# Altium PCB mantarray_beta2_sensor_arrayed.PcbDoc (part 1 of 14)
Units mil, origin at the board's own origin, x right, y up, seen from the top; angles counter-clockwise.
Board outline 6232.47 x 10167.51 mil, 8 copper layers (Layer1_Top, Layer2_sig1, Layer3_AVDD_PLANE, Layer4_GND_PLANE, Layer5_DVDD_PLANE, Layer6_BUS, Layer7_sig2, Layer8_BOT), stack 50.224 mil thick; 470 components, 492 nets, 4650 pads, 3798 vias.
Unrouted connection lines stored in the file: 3.
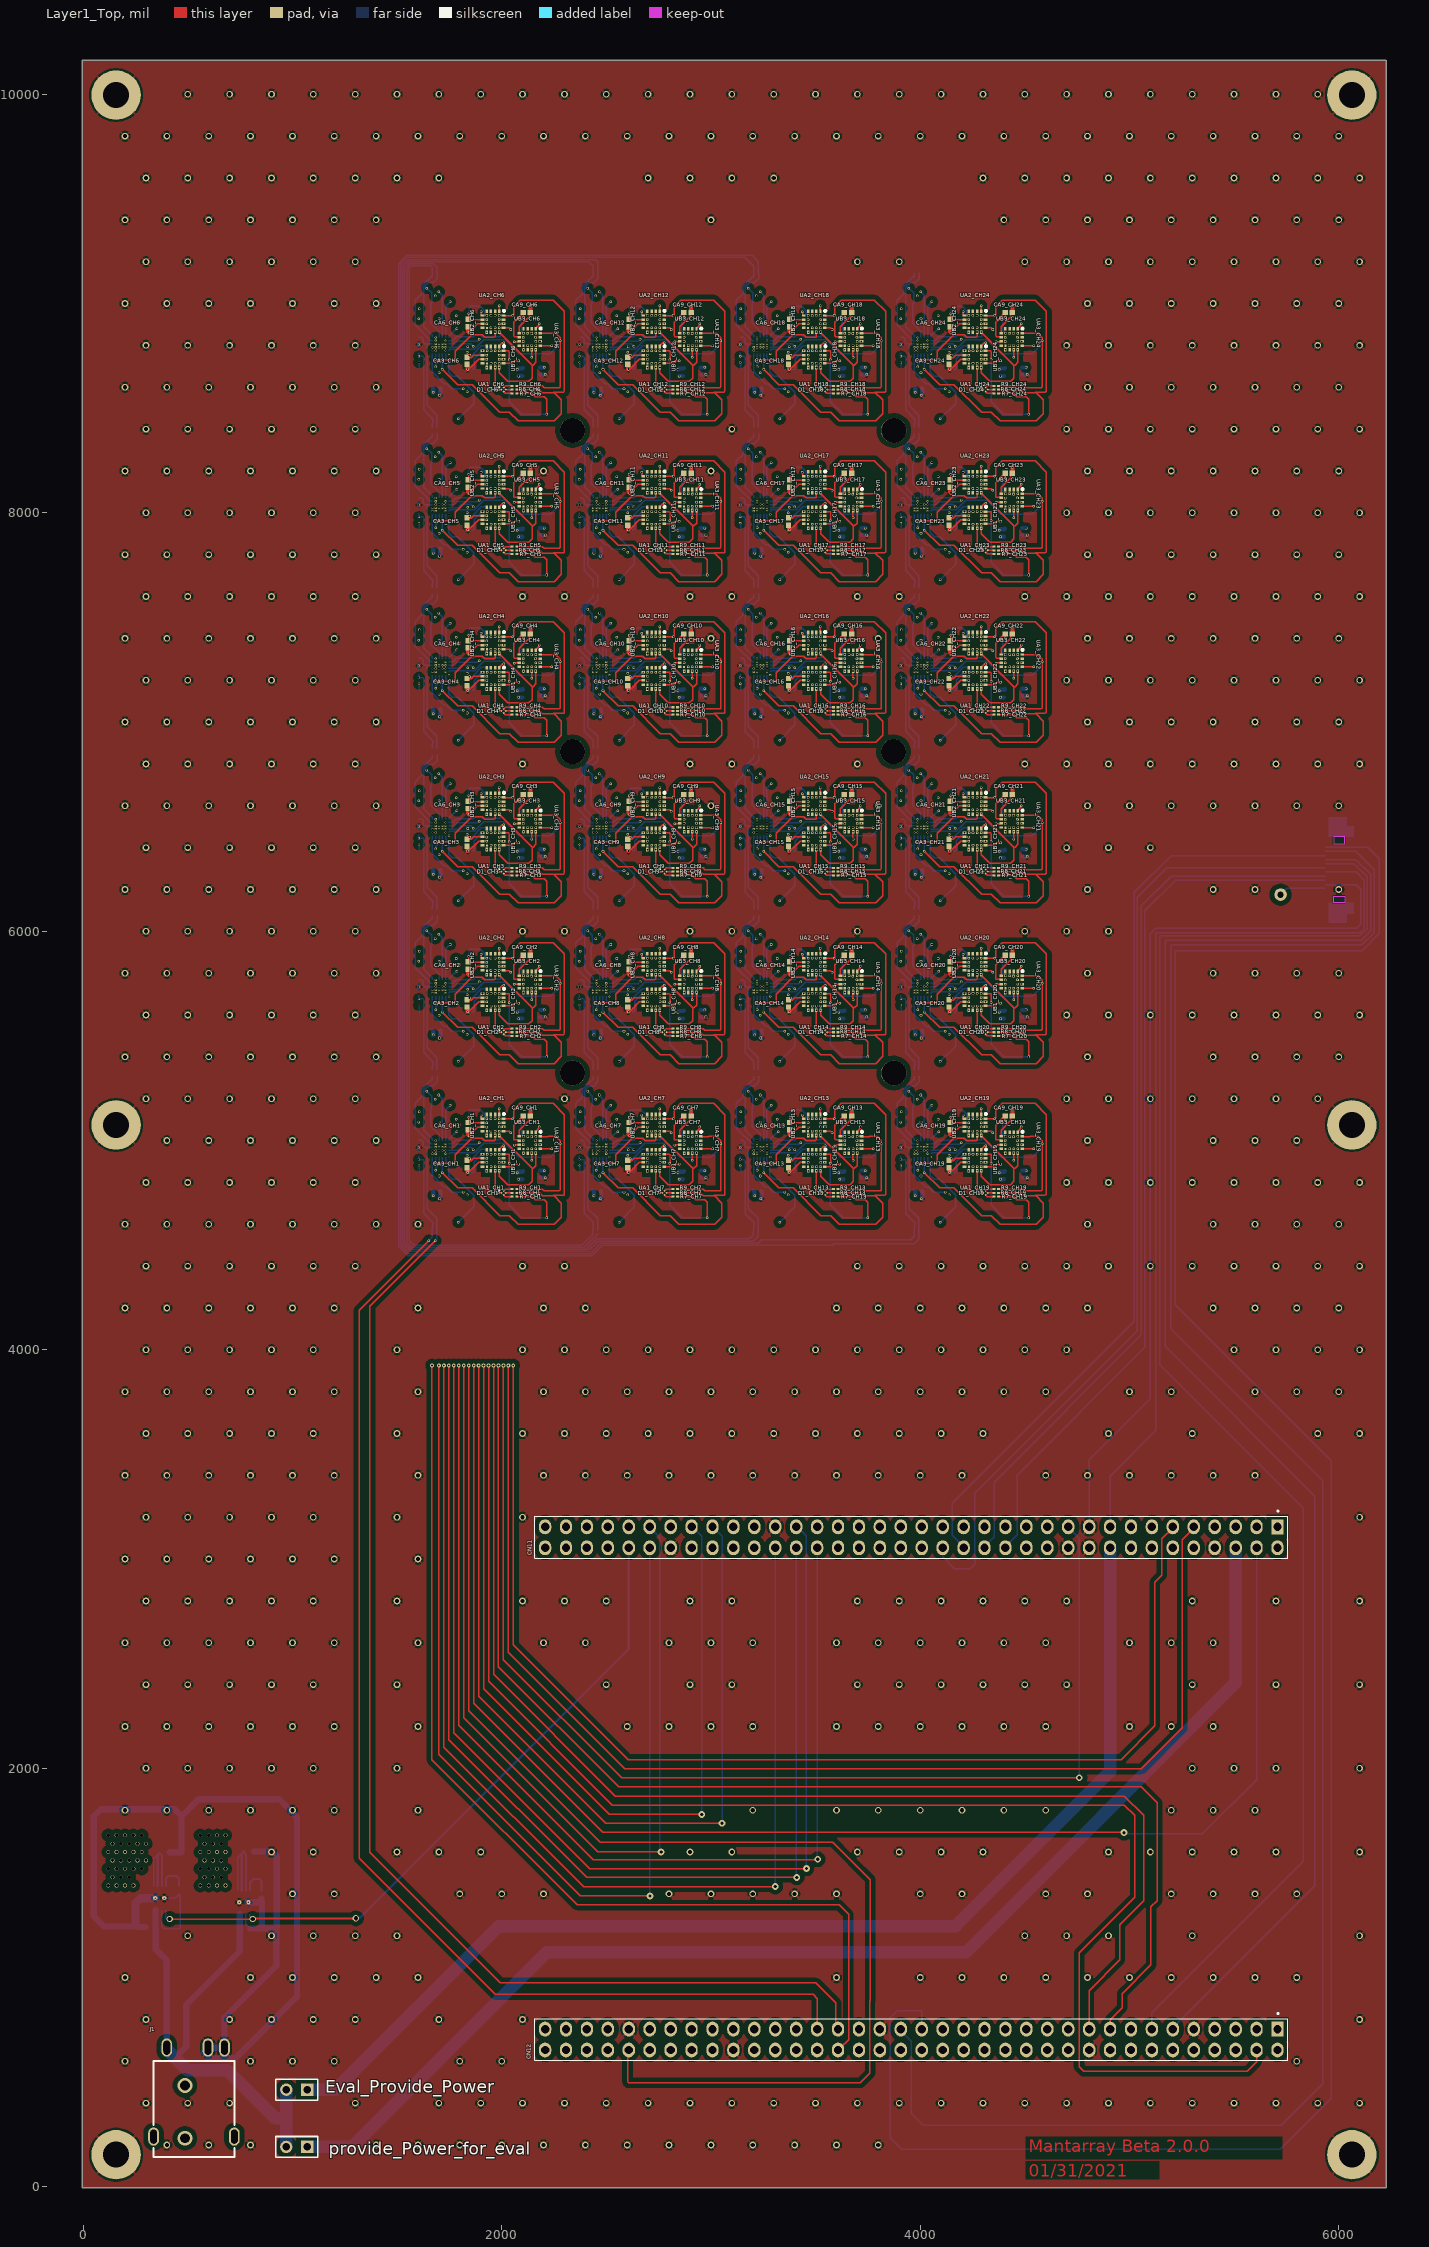
[diagram p0: Layer1_Top view]
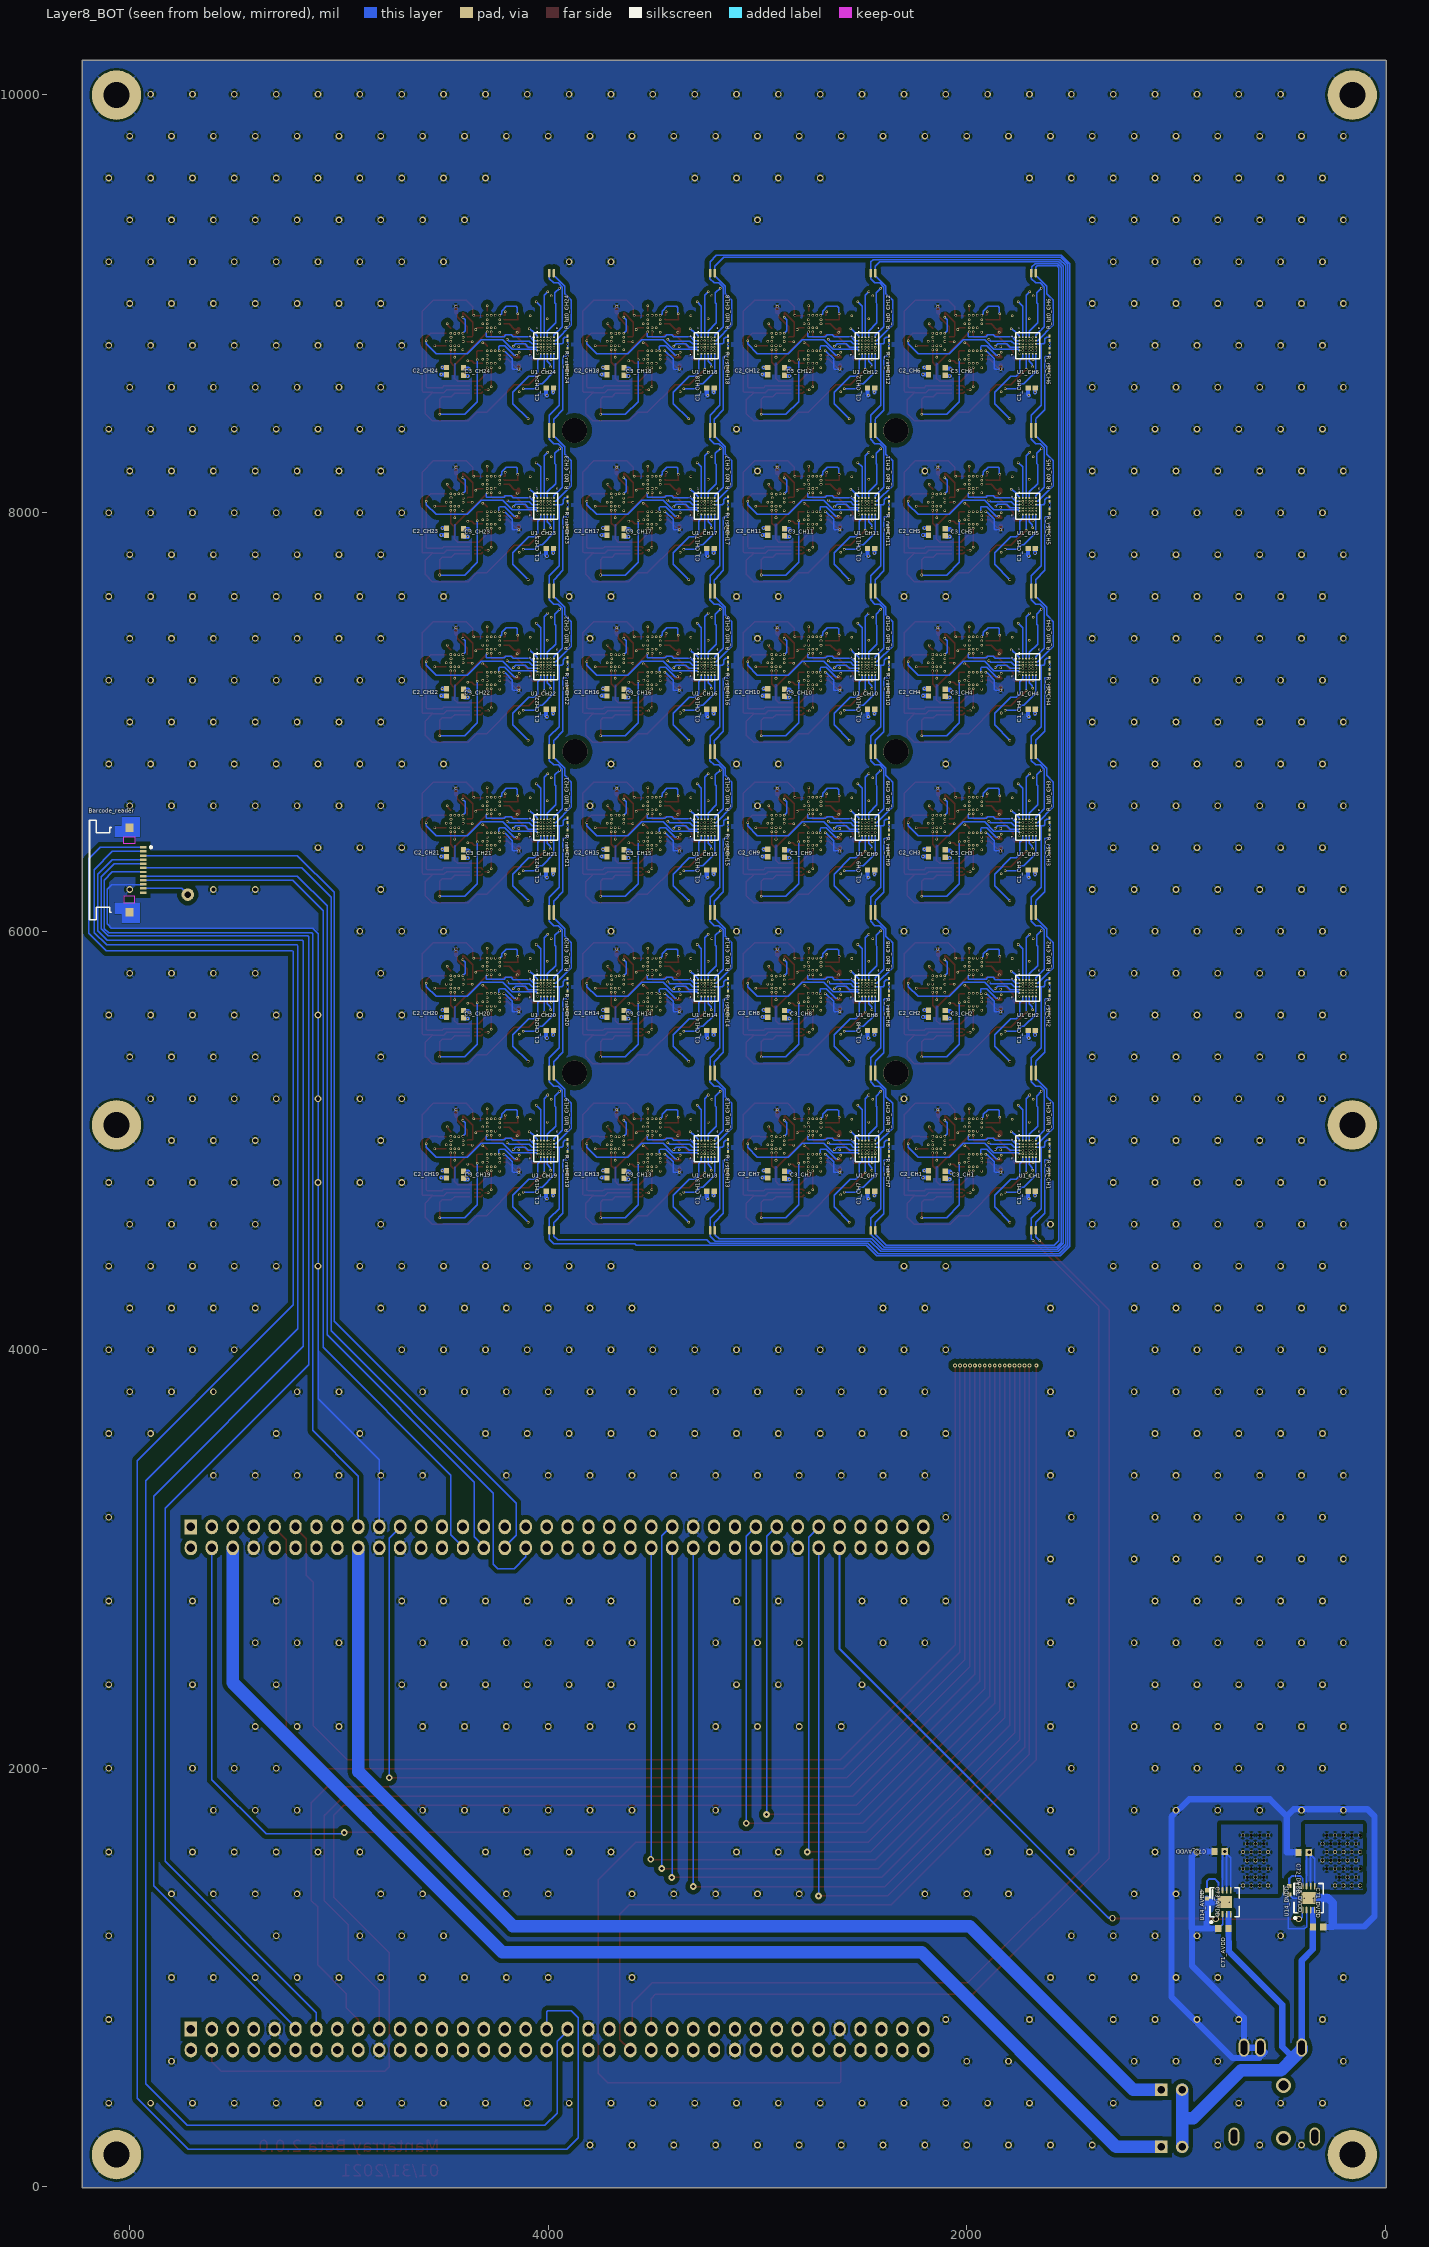
[diagram p1: Layer8_BOT view, seen from below]
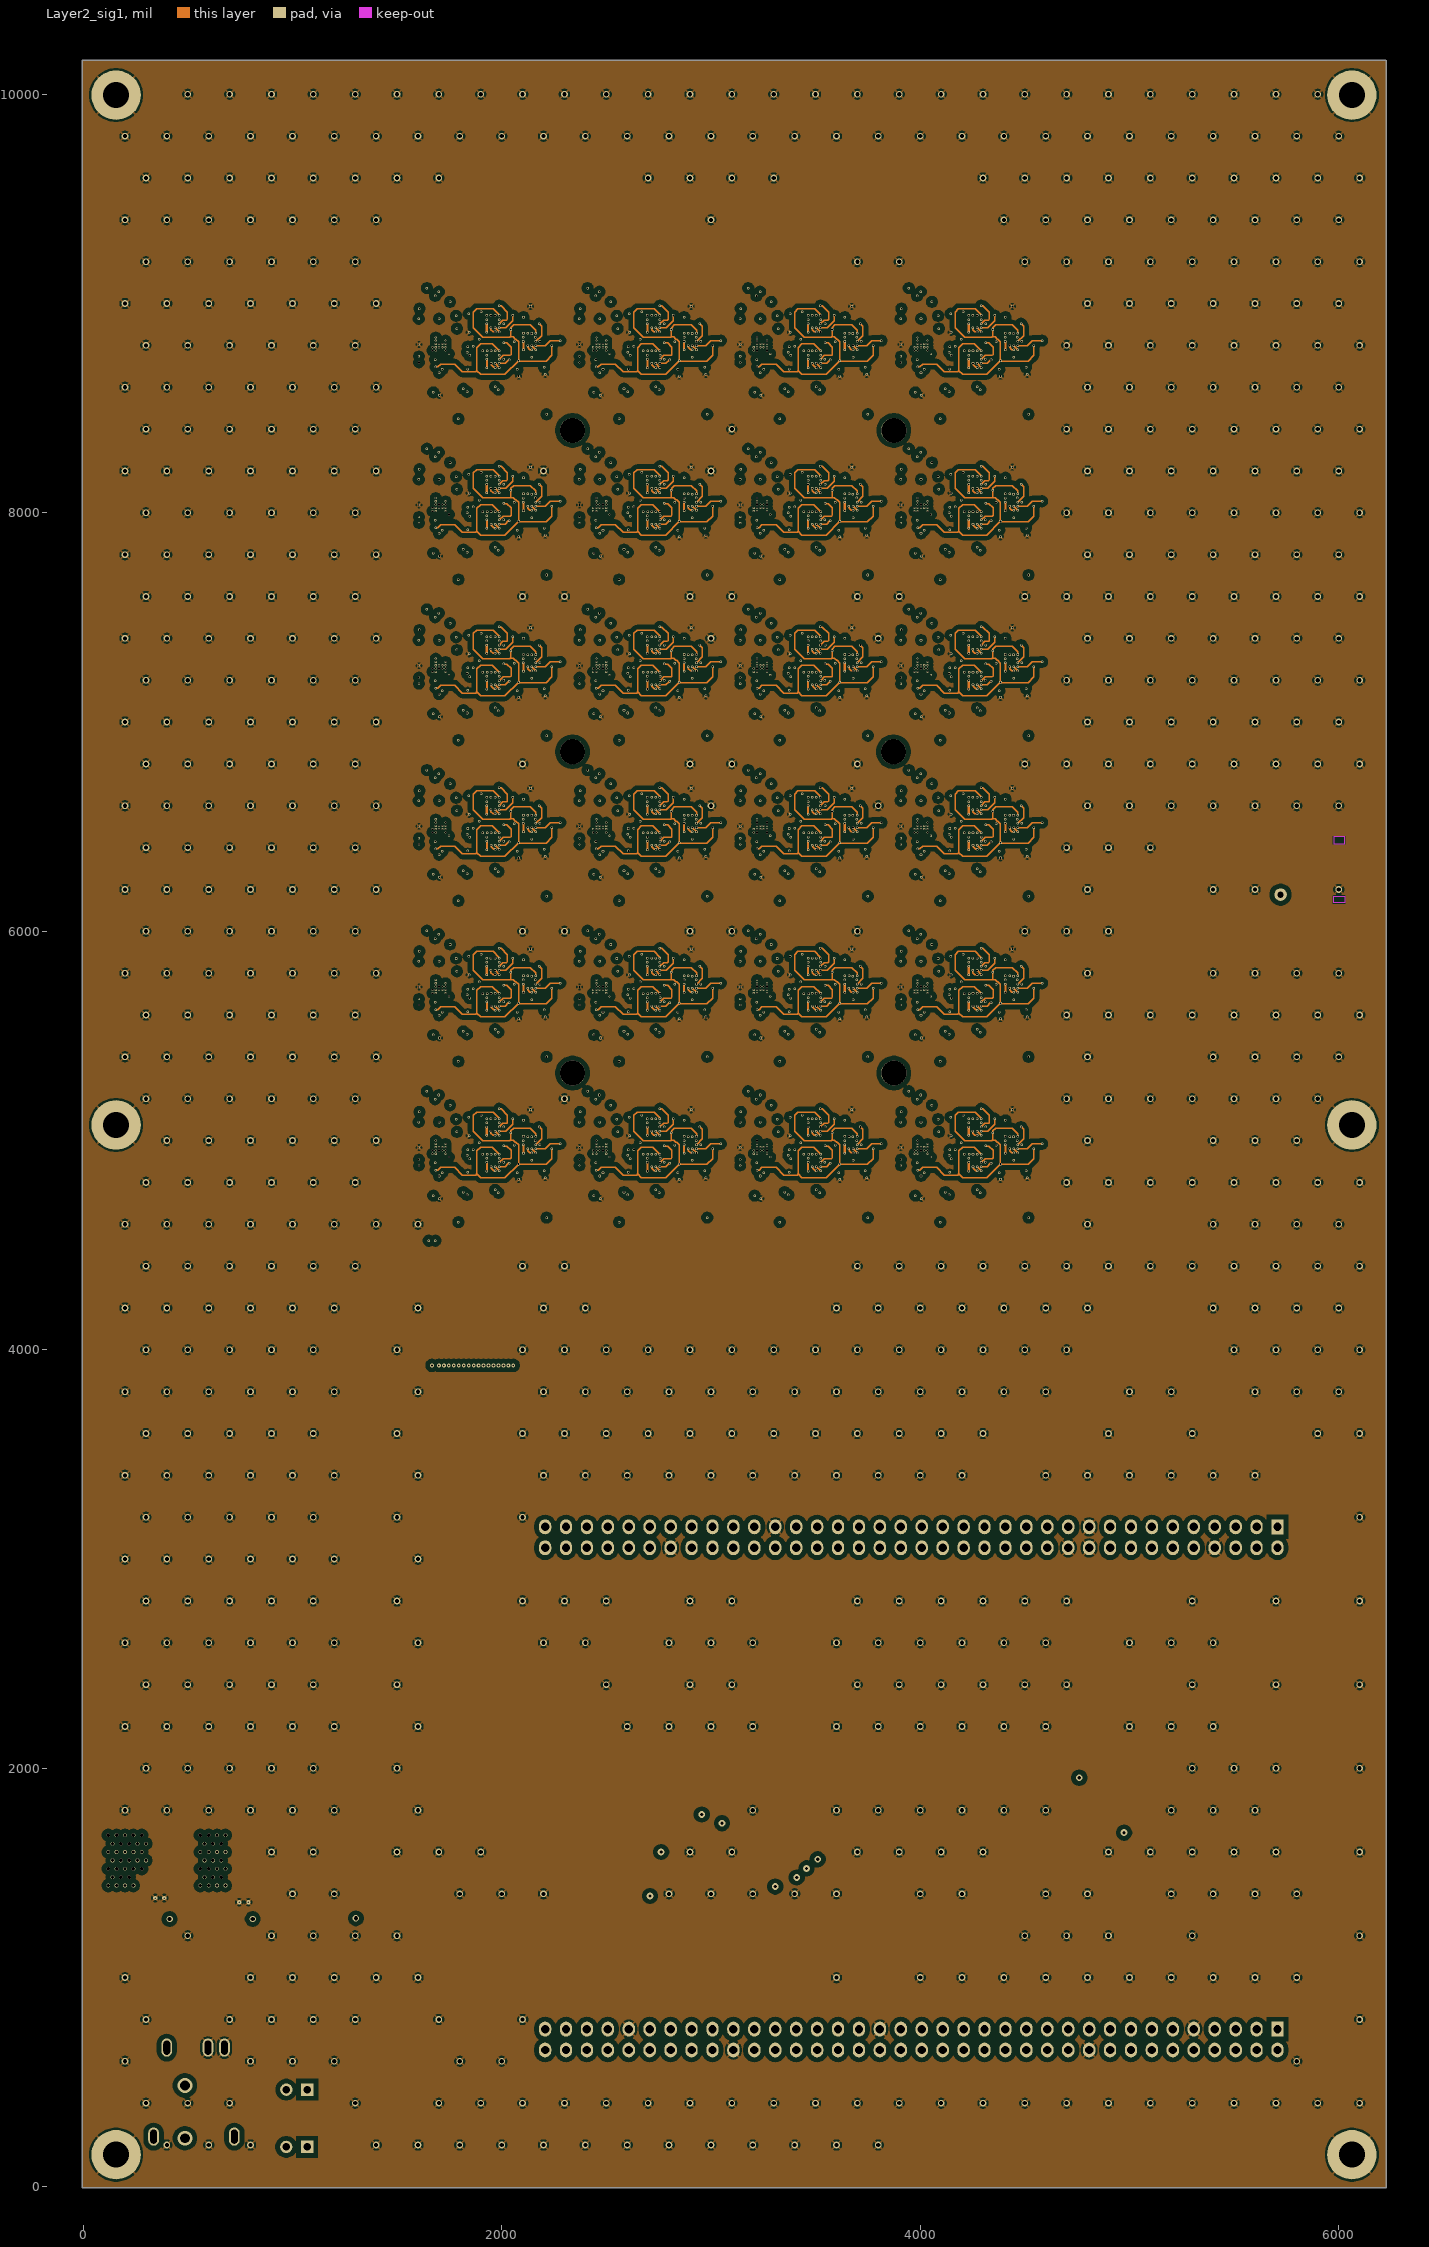
[diagram p2: Layer2_sig1]
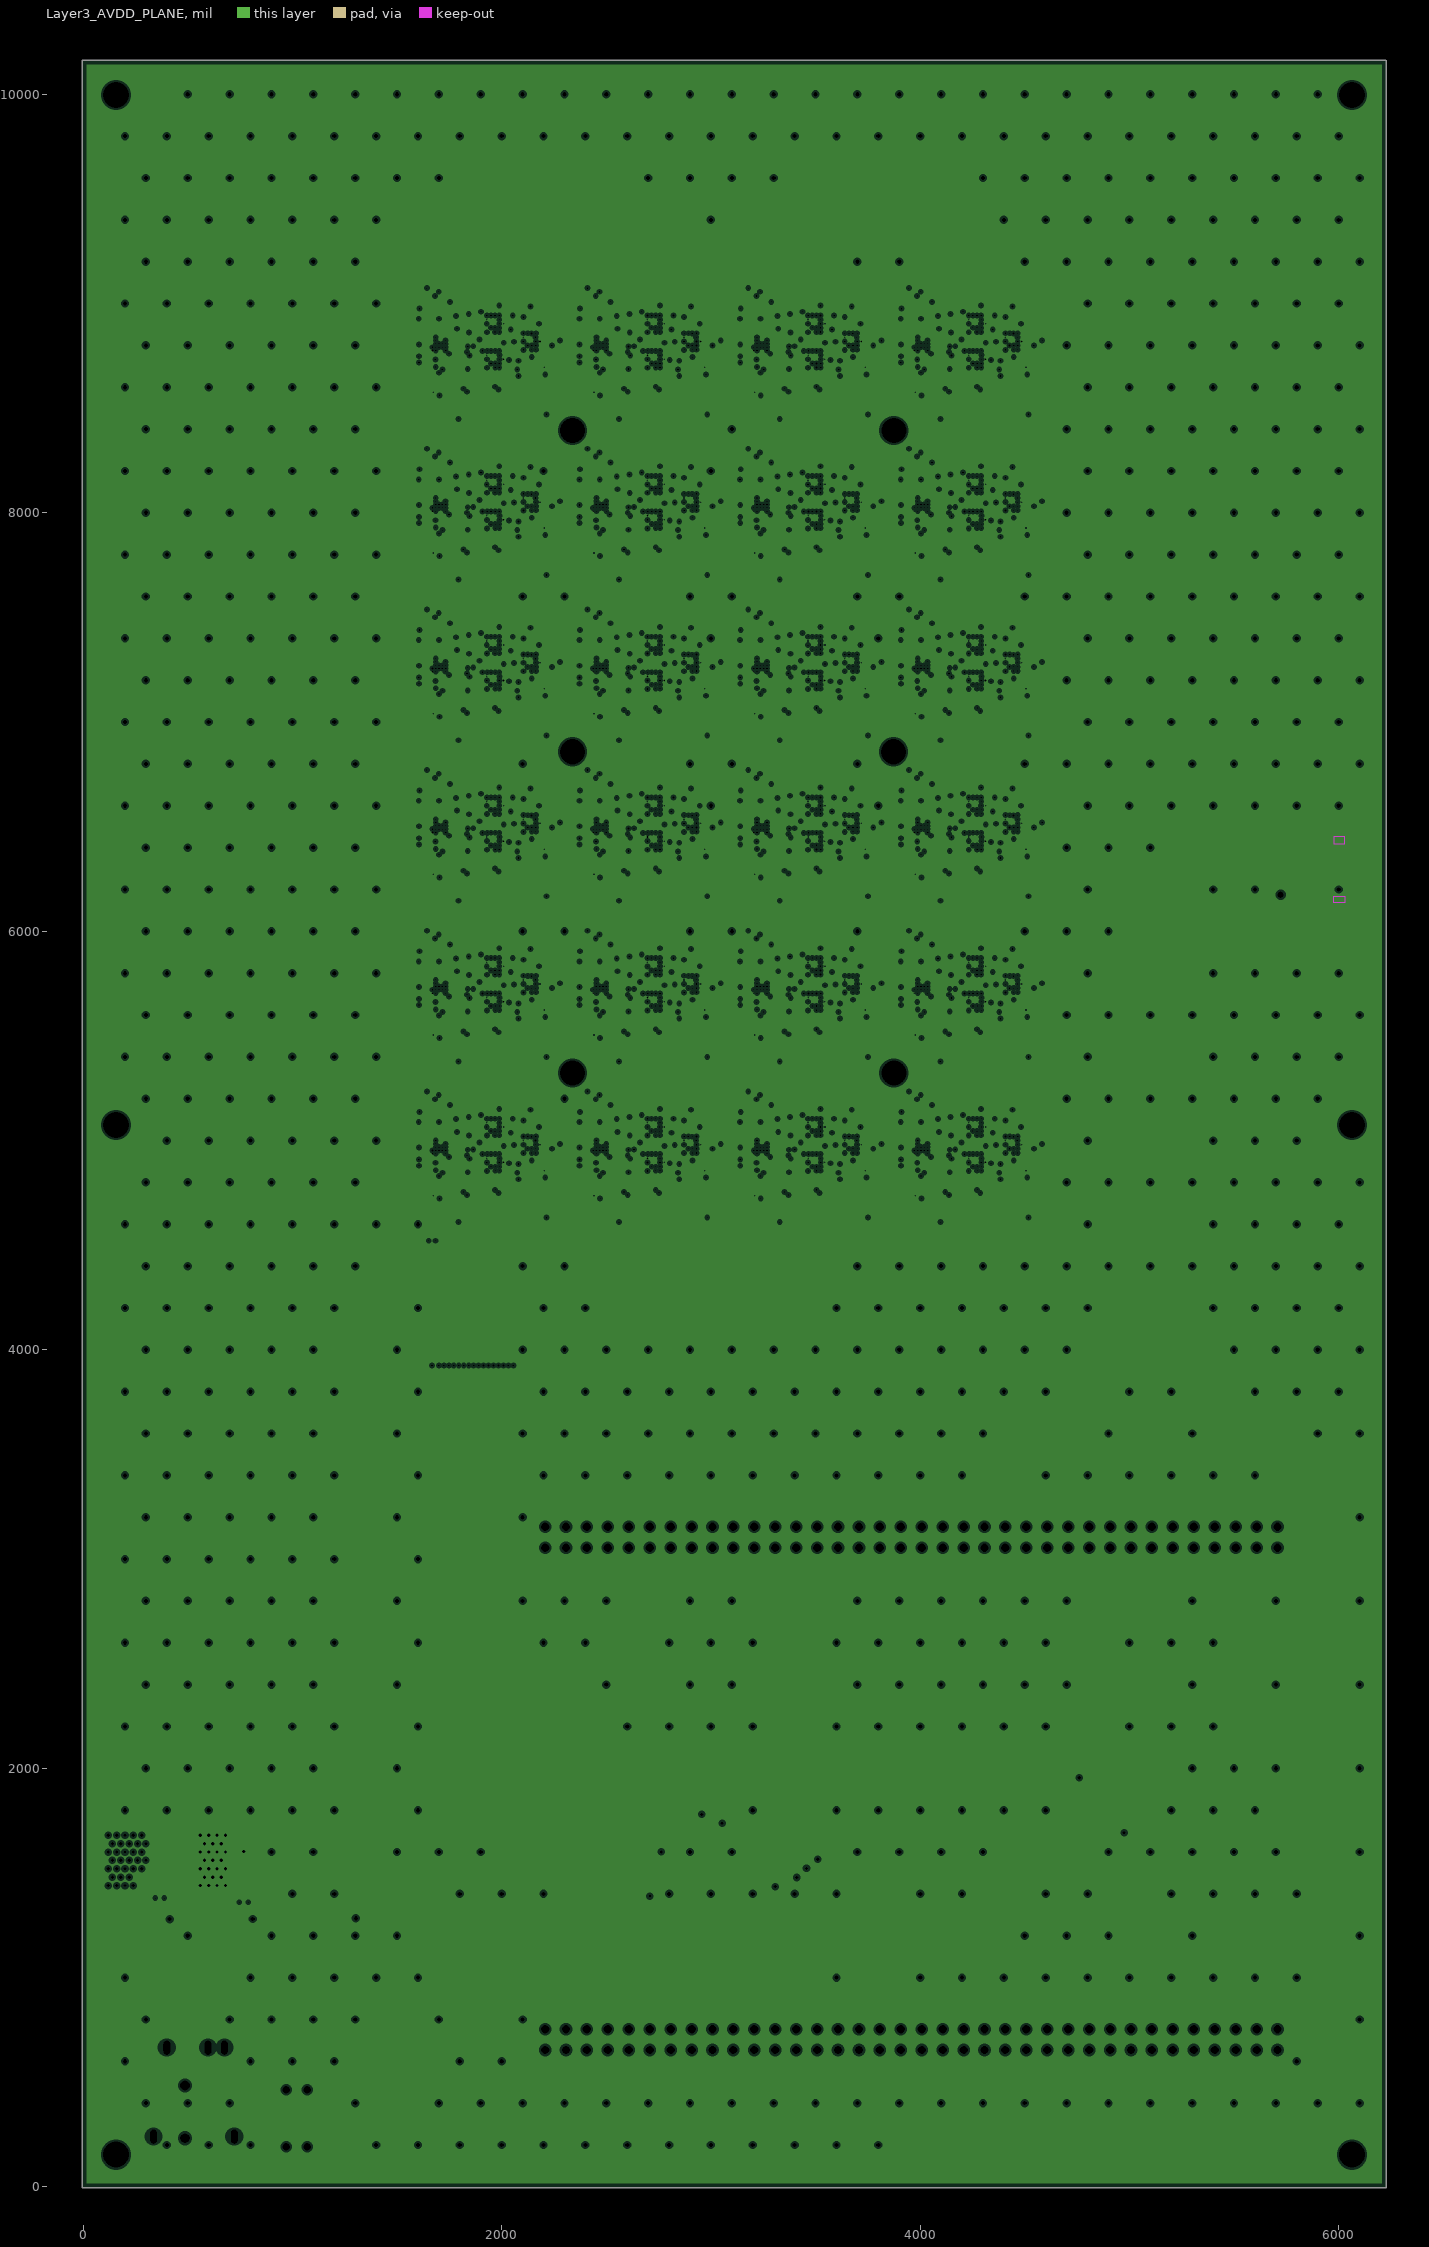
[diagram p3: Layer3_AVDD_PLANE, clearances drawn from the general rule]